# Altium PCB MSP430F55 Microcontroller.PcbDoc (part 1 of 2)
Units mm, origin at the board's own origin, x right, y up, seen from the top; angles counter-clockwise.
Board outline 86.39 x 49.56 mm, 4 copper layers (Top Layer, GND, Signal, Bottom), stack 1.586 mm thick; 127 components, 113 nets, 432 pads, 154 vias.
Unrouted connection lines stored in the file: 10.
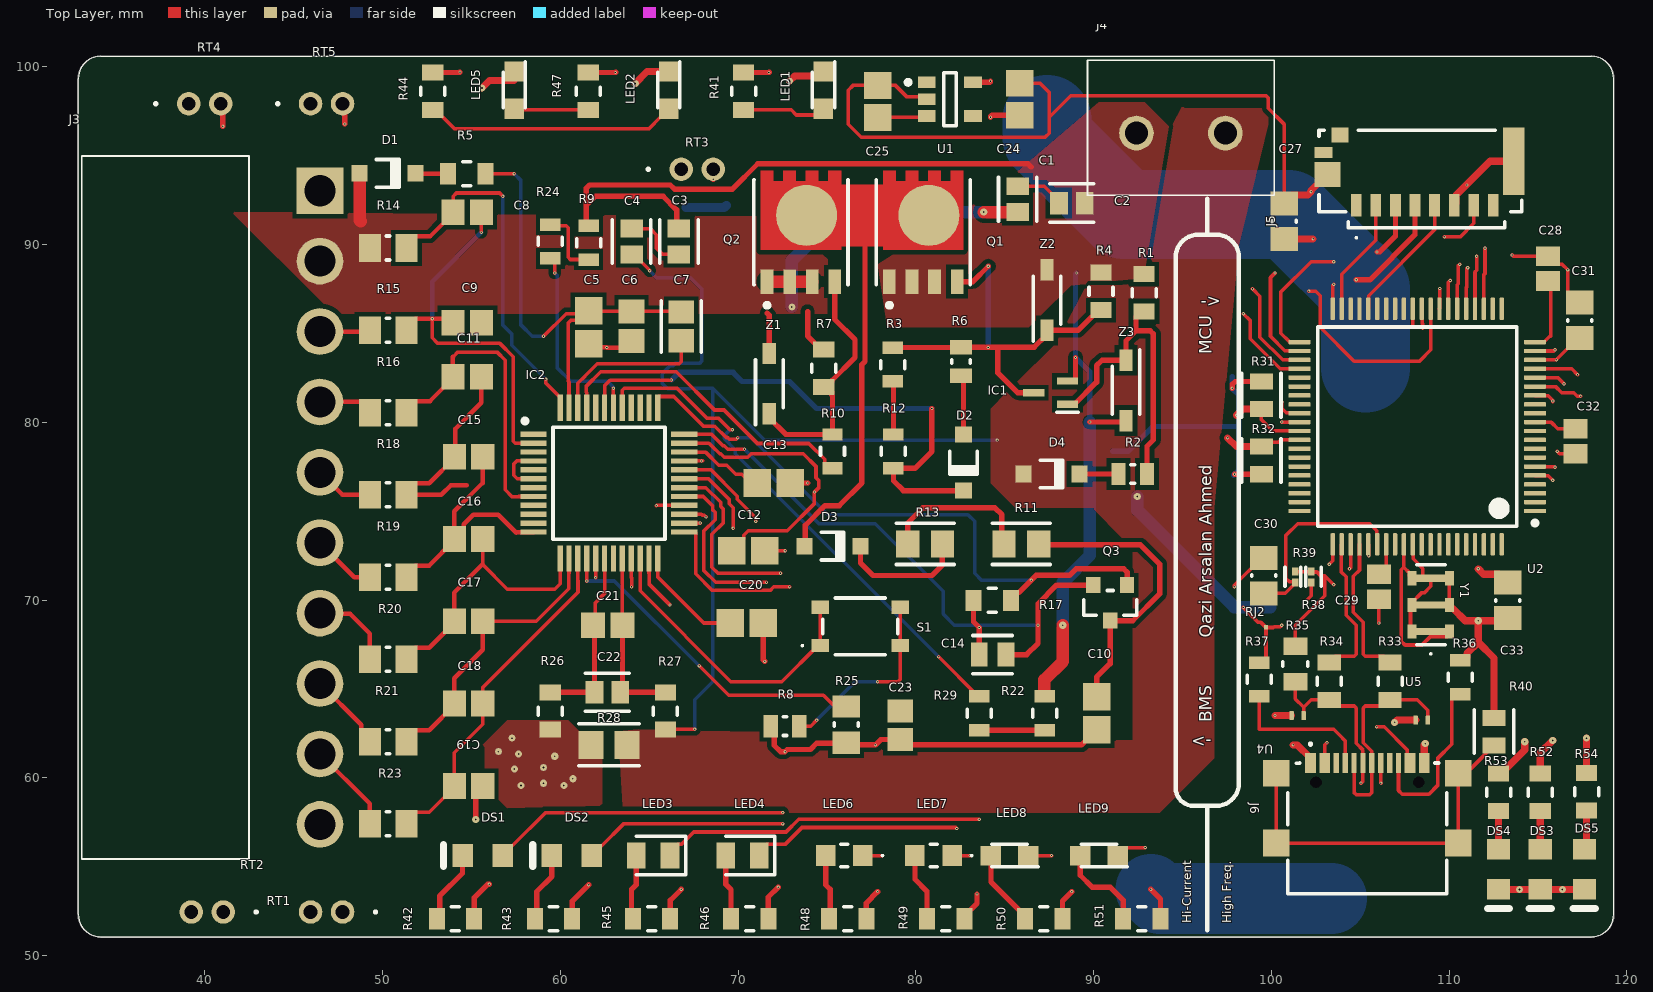
[diagram p0: Top Layer view]
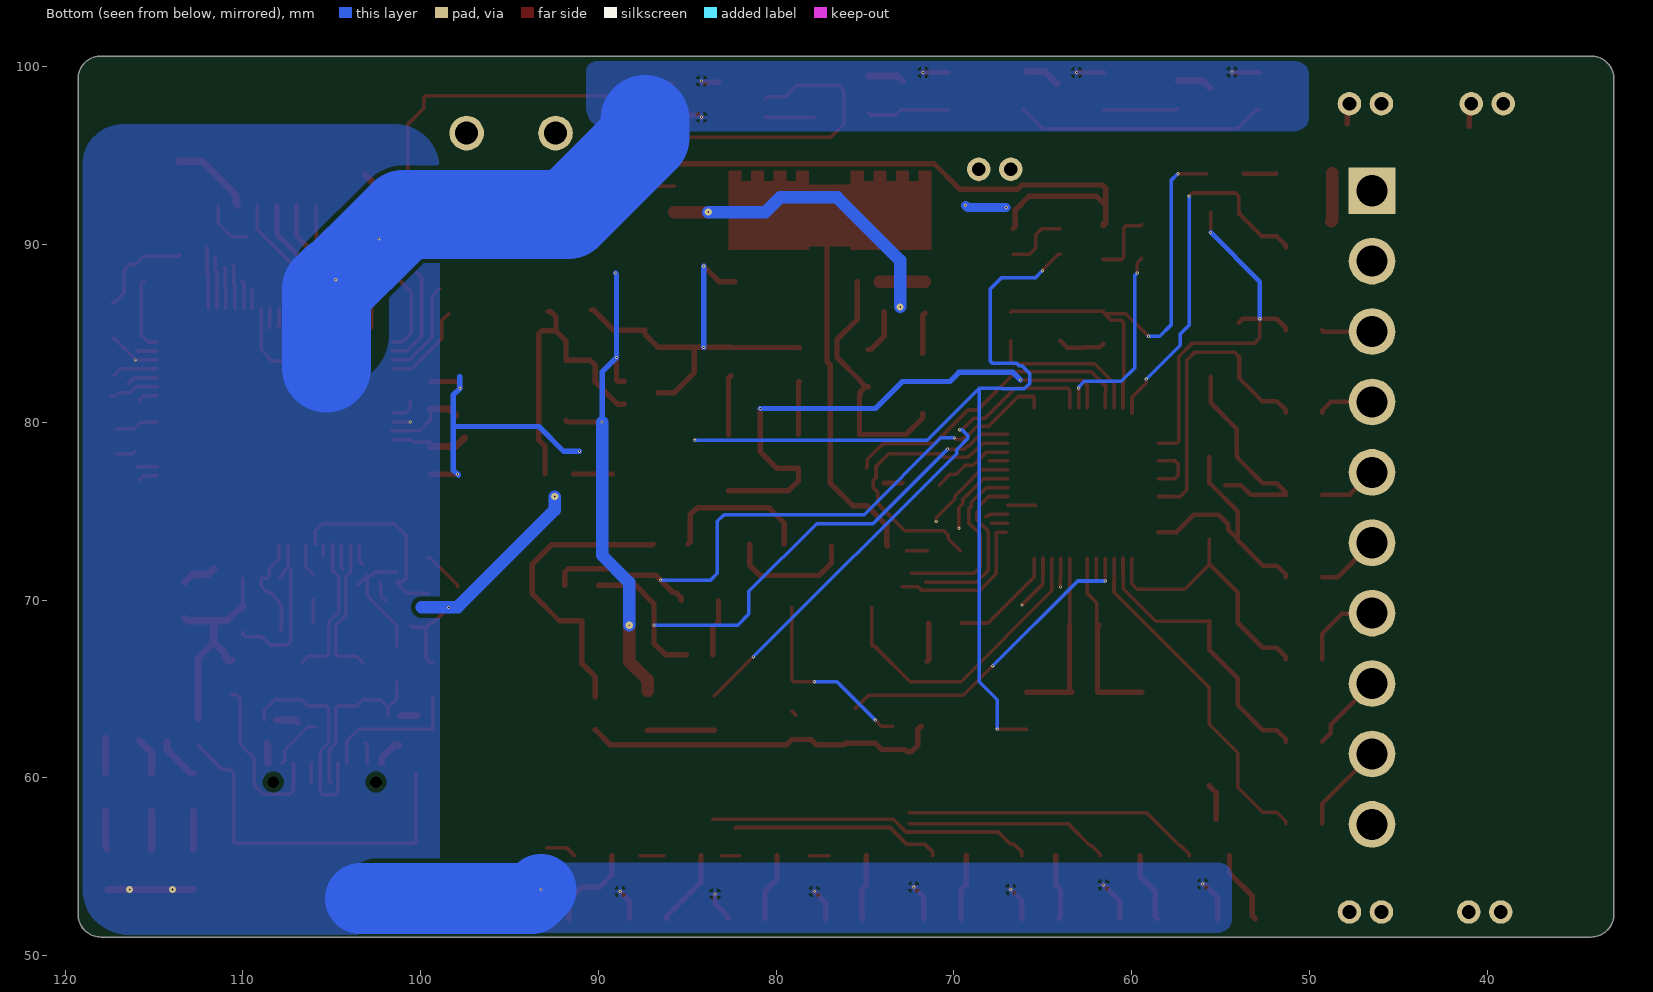
[diagram p1: Bottom view, seen from below]
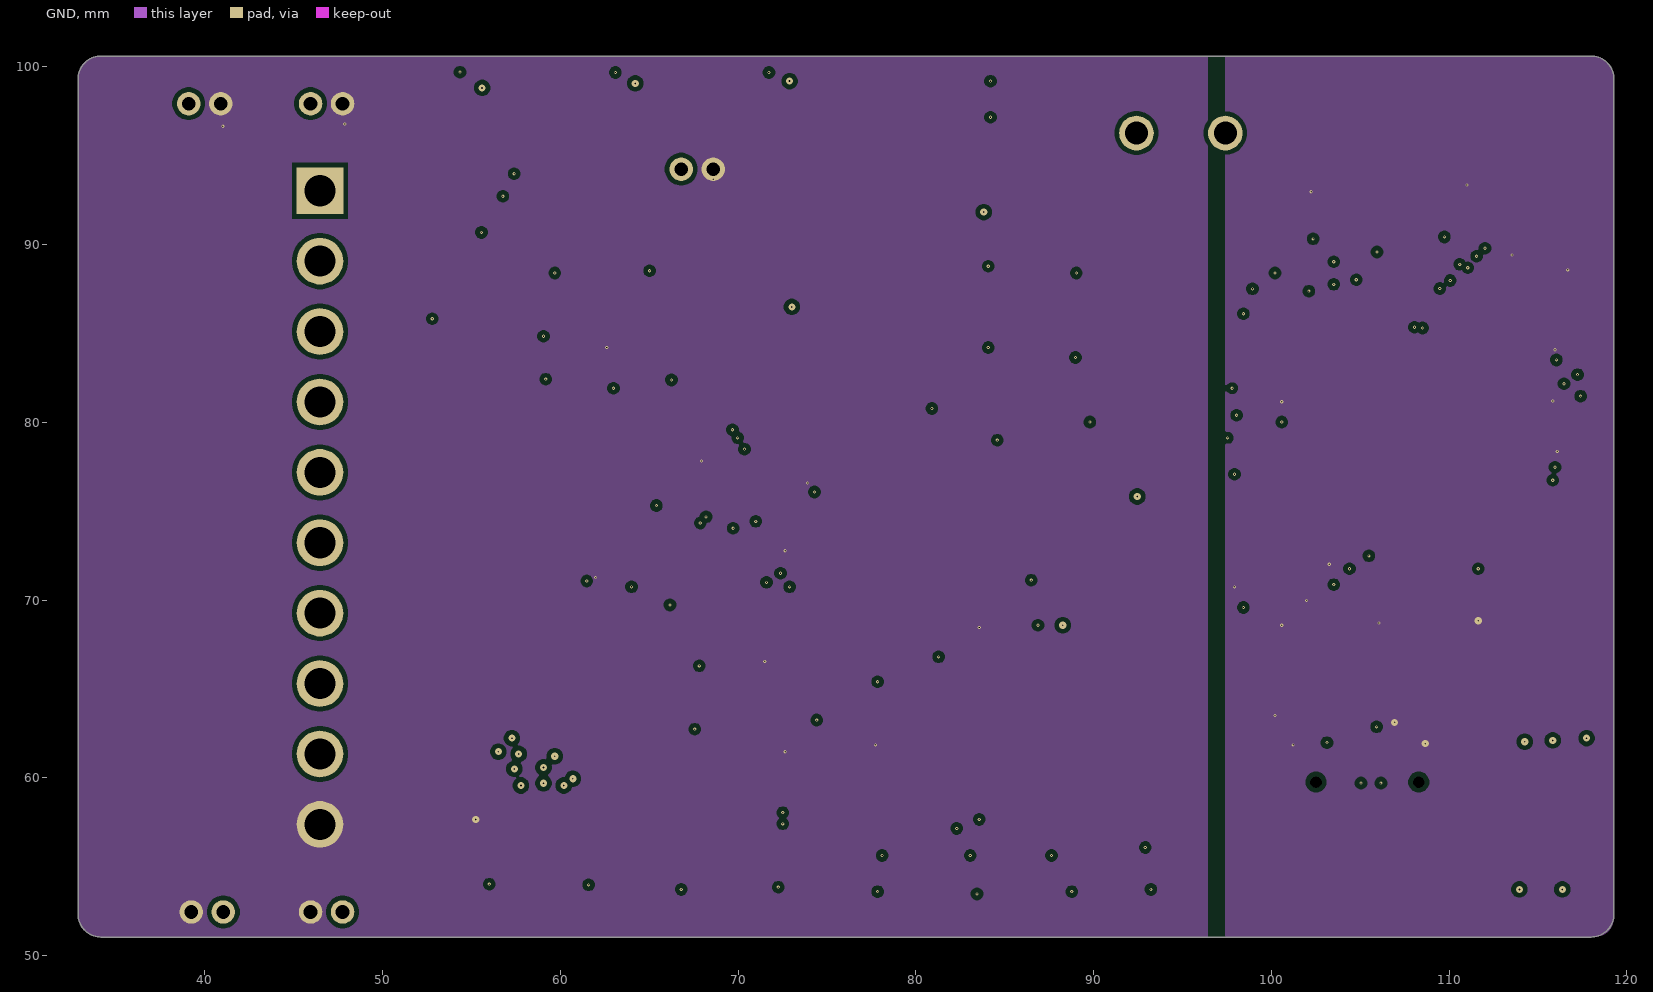
[diagram p2: GND]
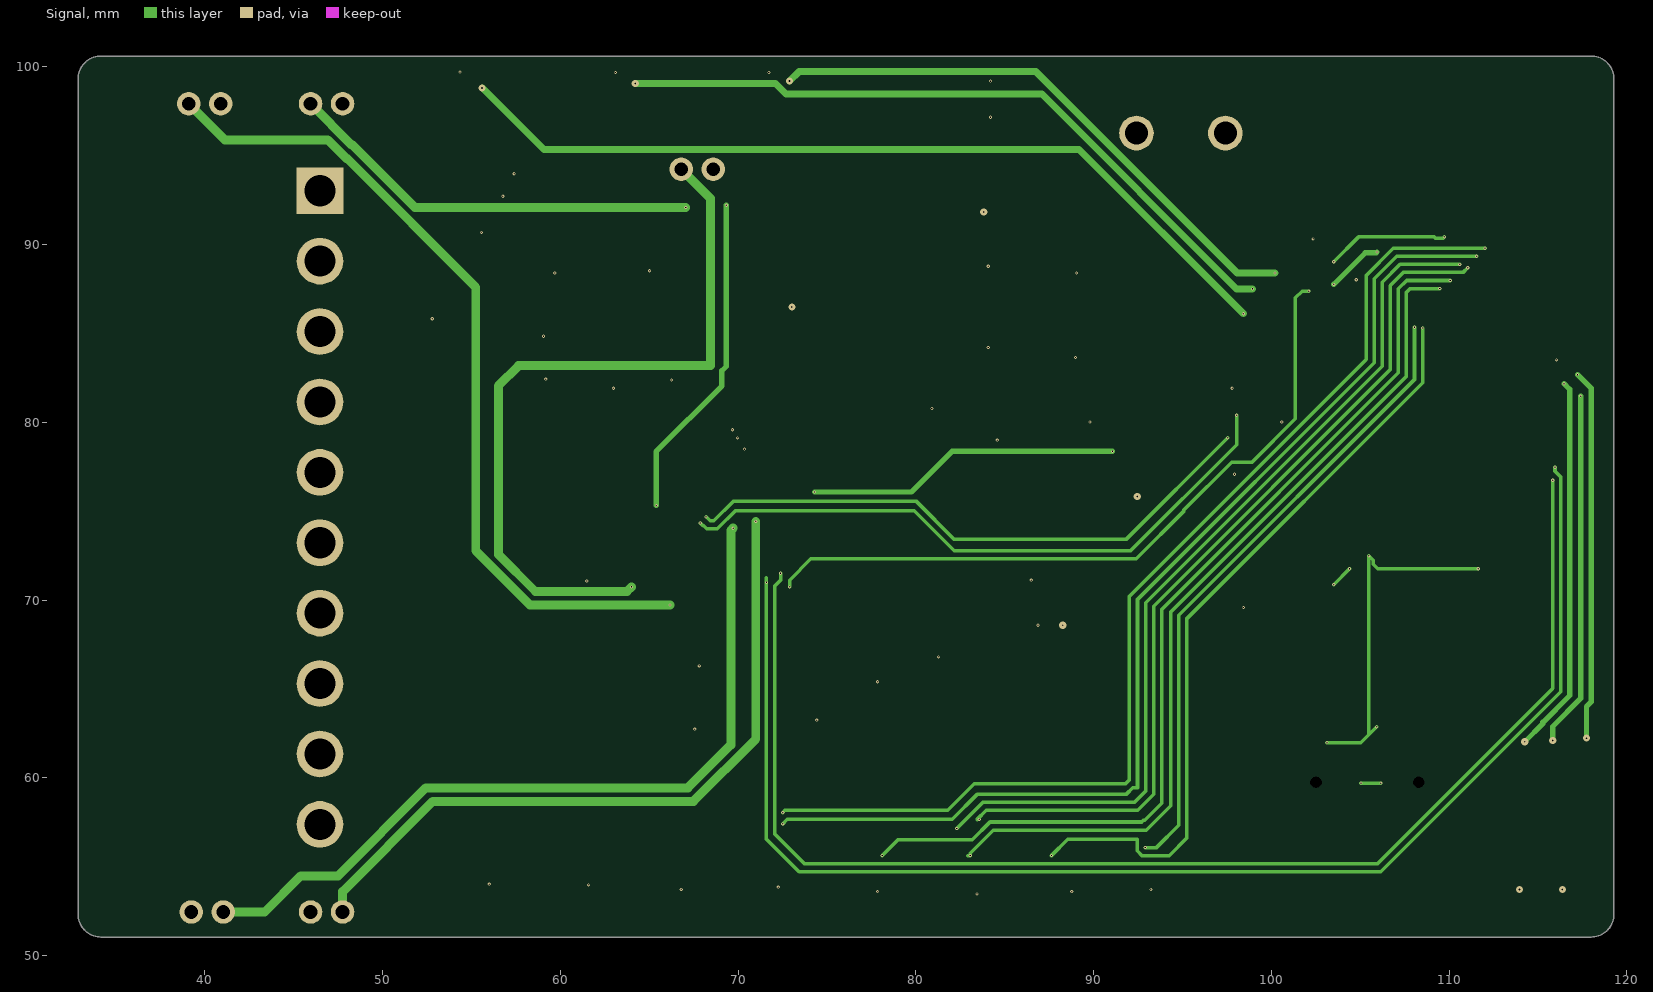
[diagram p3: Signal]
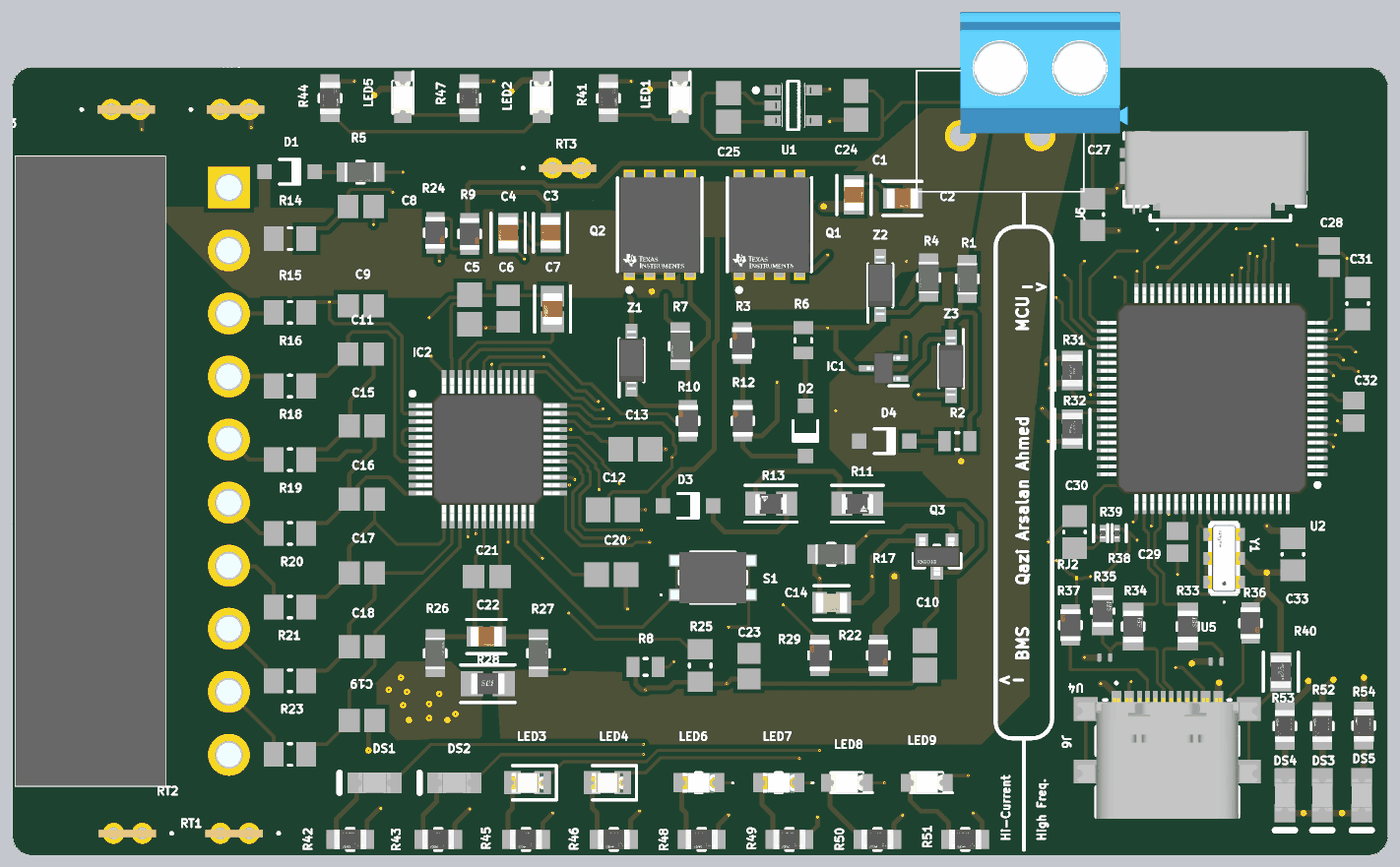
[diagram p5: 3D render of the assembled board from above, using the file's embedded part models]

## Layer stack, top to bottom
Top Solder: solder mask 0.0102, Solder Resist, Dk 3.5
Top Layer: signal copper 0.035
Dielectric 2: prepreg 0.2104, PP-006, Dk 4.4
GND: signal copper 0.0152
Dielectric 1: dielectric 1.065, FR-4, Dk 4.4
Signal: signal copper 0.0152
Dielectric 3: prepreg 0.2104, PP-006, Dk 4.4
Bottom: signal copper 0.035
Bottom Solder: solder mask 0.0102, Solder Resist, Dk 3.5

## Board outline
34.163,51.041 cw(c34.163,52.324) 32.88,52.324 32.88,99.314 cw(c34.163,99.314) 34.163,100.597 117.983,100.597 cw(c117.983,99.314) 119.266,99.314 119.266,52.324 cw(c117.983,52.324) 117.983,51.041

## Design rules (kind name [scope] priority, off if disabled: settings)
Clearance [All] p1: gap=0.254 ignorepadtopadclearanceinfootprint=TRUE
DiffPairsRouting [All] p1: maxlimit=100 minlimit=0.1 mostfreqgap=0.203 toplayer_prefgap=0.203 toplayer_minwidth=0.1 toplayer_maxwidth=100 toplayer_prefwidth=0.293 midlayer1_minwidth=0.1 midlayer1_maxwidth=100 midlayer1_prefwidth=0.293 midlayer2_minwidth=0.1 midlayer2_maxwidth=100 midlayer2_prefwidth=0.293 bottomlayer_minwidth=0.1 bottomlayer_maxwidth=100 bottomlayer_prefwidth=0.293 maxuncoupledlength=12.7
PolygonConnect [All] p1: connectstyle=Direct reliefconductorwidth=0.254 reliefentries=4 polygonreliefangle="90 Angle" airgapwidth=0.254
RoutingVias [All] p1: holewidth=0.711 width=1.27 viastyle="Through Hole" minholewidth=0.711 minwidth=1.27 maxholewidth=0.711 maxwidth=1.27
SolderMaskExpansion [All] p1: expansion=0 istentingtop=FALSE
SupplyNets "Schematic Supply Nets_1" [InNet('VSS')] p1: voltage=0.000
SupplyNets "Schematic Supply Nets" [InNet('USCBCGND')] p2: voltage=0.000
Width width_12 [All] p1: maxlimit=5 minlimit=0.1 preferedwidth=0.2 minimp=50.000000 maximp=50.000000 favimp=50.000000
Width [All] p2: maxlimit=5 minlimit=0.1 preferedwidth=0.254 toplayer_prefwidth=0.2 midlayer1_minwidth=0.254 midlayer1_maxwidth=0.254 midlayer2_minwidth=0.254 midlayer2_maxwidth=0.254 bottomlayer_prefwidth=0.2 minimp=50.000000 maximp=50.000000 favimp=50.000000
Width Width_1 [All] p3: maxlimit=0.254 minlimit=0.254 preferedwidth=0.254
29 further rules are at their usual default settings.

## Classes and differential pairs
component class LVMCU: C24 C25 C27 C28 C29 C30 C31 C32 C33 J5 J6 R31 R32 R33 R34 R35 R36 R37 R38 R39 R40 RJ2 U1 U2 U4 U5 Y1
component class "LVBMSBQF schematic": C1 C2 C3 C4 C5 C6 C7 C8 C9 C10 C11 C12 C13 C14 C15 C16 C17 C18 C19 C20 C21 C22 D1 D2 D3 D4 IC1 IC2 J3 J4 Q1 Q2 Q3 R1 R2 R3 R4 R5 R6 R7 R8 R9 R10 R11 R12 R13 R14 R15 R16 R17 R18 R19 R20 R21 R22 R23 R24 R25 R26 R27 R28 R29 RT1 RT2 RT3 RT4 RT5 S1 Z1 Z2 Z3
component class LVBATTIND-MCU: DS1 DS2 DS3 DS4 DS5 LED1 LED3 LED4 LED6 LED7 LED8 LED9 R41 R42 R43 R44 R45 R46 R47 R48 R49 R50 R51 R52 R53 R54
differential pair DI: +DI_P -DI_N
differential pair D: +D_P -D_N

## Components (designator, comment, footprint, x,y, rotation, side; value= is the part's Value field where it differs from the comment)
C1 "0805B104K500CT" FP-0805B-IPC_C 85.725,92.547 r90 top
C2 "0805B104K500CT" FP-0805B-IPC_C 88.773,92.329 r0 top
C3 "0805B104K500CT" FP-0805B-IPC_C 66.675,90.17 r270 top
C4 "0805B104K500CT" FP-0805B-IPC_C 64.008,90.17 r270 top
C5 "08055D105MAT2A" CAPC2013X152X50ML20T25 61.595,85.344 r90 top
C6 "08055C101JAT2A" CAPC2013X94X50NL20T25 64.008,85.407 r90 top
C7 "08055C474J4Z2A" FP-0805-L_2_01_0_2-W_1_25-IPC_B 66.802,85.388 r270 top
C8 "08055C224MAT2A" CAPC2013X140X50NL20T25 54.762,91.816 r180 top
C9 "08055C224MAT2A" CAPC2013X140X50NL20T25 54.775,85.598 r180 top
C10 "08055D105MAT2A" CAPC2013X152X50ML20T25 90.17,63.627 r90 top
C11 "08055C224MAT2A" CAPC2013X140X50NL20T25 54.762,82.559 r180 top
C12 "08055D105MAT2A" CAPC2013X152X50ML20T25 70.576,72.771 r0 top
C13 "08055D105MAT2A" CAPC2013X152X50ML20T25 72.009,76.581 r0 top
C14 "C0805C223J5HACTU" FP-C0805C-DN-MFG 84.316,66.929 r180 top value="22,000 pF"
C15 "08055C224MAT2A" CAPC2013X140X50NL20T25 54.838,78.058 r180 top
C16 "08055C224MAT2A" CAPC2013X140X50NL20T25 54.838,73.43 r180 top
C17 "08055C224MAT2A" CAPC2013X140X50NL20T25 54.838,68.802 r180 top
C18 "08055C224MAT2A" CAPC2013X140X50NL20T25 54.838,64.173 r180 top
C19 "08055C224MAT2A" CAPC2013X140X50NL20T25 54.838,59.545 r180 top
C20 "0805ZD226MAT2A" CAPC2013X152X50ML20T25 70.485,68.707 r0 top
C21 "08055C101JAT2A" CAPC2013X94X50NL20T25 62.675,68.58 r180 top
C22 "0805B104K500CT" FP-0805B-IPC_C 62.647,64.806 r0 top
C23 "08055C224MAT2A" CAPC2013X140X50NL20T25 79.121,62.954 r90 top
C24 "0805YC105JAT2A" CAPC2013X140X50ML20T25 85.852,98.171 r270 top
C25 "0805YC105JAT2A" CAPC2013X140X50ML20T25 77.851,98.044 r270 top
C27 "CAP 100nF 10V 0805(2012)" CAPC0805(2012)100_M 100.711,91.313 r270 top value=100nF
C28 "0805ZC474JAT2A" CAPC2013X140X50LL20T25 115.57,88.646 r270 top
C29 "0805ZC474JAT2A" CAPC2013X140X50LL20T25 106.045,70.739 r90 top
C30 "CAP 100nF 10V 0805(2012)" CAPC0805(2012)100_M 99.568,71.374 r270 top value=100nF
C31 "CAP 100nF 10V 0805(2012)" CAPC0805(2012)100_M 117.348,85.725 r270 top value=100nF
C32 "0805ZC474JAT2A" CAPC2013X140X50LL20T25 117.094,78.929 r90 top
C33 "CAP 100nF 10V 0805(2012)" CAPC0805(2012)100_M 113.284,69.977 r90 top value=100nF
D1 "1N4148W-7-F" DIOD-SOD123-2_V 50.292,94.005 r0 top
D2 "1N4148W-7-F" DIOD-SOD123-2_V 82.677,77.724 r270 top
D3 "1N4148W-7-F" DIOD-SOD123-2_V 75.311,73.025 r0 top
D4 "1N4148W-7-F" DIOD-SOD123-2_V 87.63,77.089 r0 top
DS1 "598-8170-107F" DIAL-0805-2_V 55.626,55.626 r0 top
DS2 "598-8170-107F" DIAL-0805-2_V 60.65,55.626 r0 top
DS3 "598-8170-107F" DIAL-0805-2_V 115.126,54.846 r90 top
DS4 "598-8170-107F" DIAL-0805-2_V 112.776,54.846 r90 top
DS5 "598-8170-107F" DIAL-0805-2_V 117.602,54.846 r90 top
IC1 "2N7002KW" SOT65P210X110-3N 87.577,81.661 r180 top
IC2 "BQ7694202PFBR" QFP50P900X900X120-48N 62.738,76.572 r0 top
J3 "B10PS-VH__LF__SN_" B10PSVHLFSN 46.482,93.021 r270 top
J4 "TB002-500-02BE" TB00250002BE 92.409,96.266 r0 top
J5 "10067099-200LF" 10067099200LF 108.377,94.132 r180 top
J6 "GSB1C41110SSHR" GSB1C41110SSHR 105.398,57.443 r0 top
LED1 "599-0110-007F" LEDM2012X90N 74.803,98.679 r270 top
LED2 "599-0110-007F" LEDM2012X90N 66.103,98.679 r270 top
LED3 "599-0140-007F" LEDC2012X70N 65.225,55.626 r180 top
LED4 "599-0140-007F" LEDC2012X70N 70.249,55.626 r180 top
LED5 "599-0110-007F" LEDM2012X90N 57.404,98.679 r270 top
LED6 "599-0130-007F" 5990130007F 75.974,55.626 r180 top
LED7 "599-0130-007F" 5990130007F 80.998,55.626 r180 top
LED8 "599-0110-007F" LEDM2012X90N 85.273,55.626 r180 top
LED9 "599-0110-007F" LEDM2012X90N 90.297,55.626 r180 top
Q1 "CSD19532Q5B" FP-DNK0008A-MFG 80.417,90.678 r90 top
Q2 "CSD19532Q5B" FP-DNK0008A-MFG 73.533,90.678 r90 top
Q3 "FMMT495TA" FP-SOT23-MFG 90.932,69.834 r270 top
R1 "AC0805FR-0710ML" FP-AC0805-MFG 92.837,87.283 r270 top value=10MΩ
R2 "RC0805FR-1010KL" RESC2013X60X35LL10T20 92.202,77.089 r180 top
R3 "AC0805FR-0710ML" FP-AC0805-MFG 74.818,83.044 r270 top value=10MΩ
R4 "AC0805FR-0710ML" FP-AC0805-MFG 90.415,87.362 r270 top value=10MΩ
R5 "AC0805FR-07100RL" FP-AC0805-MFG 54.737,93.98 r0 top value=100Ω
R6 "AC0805JR-071KL" RESC2013X60X35LL10T20 82.543,83.419 r90 top
R7 "KTR10EZPF5101" FP-KTR10-MFG 78.705,83.244 r90 top
R8 "RC0805FR-1010KL" RESC2013X60X35LL10T20 72.644,62.905 r0 top
R9 "KTR10EZPF5101" FP-KTR10-MFG 61.595,90.099 r270 top
R10 "KTR10EZPF5101" FP-KTR10-MFG 75.311,78.359 r90 top
R11 "CRCW0805220RJNEAHP" FP-CRCW0805-HPe3-IPC_A 85.939,73.152 r180 top
R12 "KTR10EZPF5101" FP-KTR10-MFG 78.74,78.359 r90 top
R13 "CRCW0805220RJNEAHP" FP-CRCW0805-HPe3-IPC_A 80.518,73.152 r0 top
R14 "RK73B2ATTD200J" RESC2013X60X30ML20T20 50.317,89.802 r0 top
R15 "RK73B2ATTD200J" RESC2013X60X30ML20T20 50.317,85.173 r0 top
R16 "RK73B2ATTD200J" RESC2013X60X30ML20T20 50.317,80.545 r0 top
R17 "AC0805FR-0710ML" FP-AC0805-MFG 84.294,69.977 r0 top value=10MΩ
R18 "RK73B2ATTD200J" RESC2013X60X30ML20T20 50.317,75.917 r0 top
R19 "RK73B2ATTD200J" RESC2013X60X30ML20T20 50.317,71.289 r0 top
R20 "RK73B2ATTD200J" RESC2013X60X30ML20T20 50.317,66.66 r0 top
R21 "RK73B2ATTD200J" RESC2013X60X30ML20T20 50.317,62.032 r0 top
R22 "KTR10EZPF5101" FP-KTR10-MFG 87.249,63.627 r270 top
R23 "RK73B2ATTD200J" RESC2013X60X30ML20T20 50.317,57.404 r0 top
R24 "KTR10EZPF5101" FP-KTR10-MFG 59.436,90.17 r270 top
R25 "RK73B2ATTD200J" RESC2013X60X30ML20T20 76.073,62.992 r90 top
R26 "AC0805FR-07100RL" FP-AC0805-MFG 59.436,63.754 r90 top value=100Ω
R27 "AC0805FR-07100RL" FP-AC0805-MFG 65.913,63.754 r90 top value=100Ω
R28 "CSRF0805FT10L0" FP-CSRF0805-IPC_A 62.738,61.849 r0 top
R29 "KTR10EZPF5101" FP-KTR10-MFG 83.566,63.627 r90 top
R31 "CRGP0805F10K" FP-CRGP0805-IPC_C 99.441,81.52 r270 top value=10KΩ
R32 "CRGP0805F10K" FP-CRGP0805-IPC_C 99.441,77.851 r90 top value=10KΩ
R33 "RMCF0805FT33R0" FP-RMCF0805-MFG 106.68,65.439 r90 top
R34 "RMCF0805FT33R0" FP-RMCF0805-MFG 103.251,65.439 r90 top
R35 "RNCF0805TKY2K00" FP-RNCF0805-MFG 101.346,66.405 r90 top
R36 "KTR10EZPF5101" FP-KTR10-MFG 110.617,65.659 r270 top
R37 "KTR10EZPF5101" FP-KTR10-MFG 99.314,65.532 r90 top
R38 "AF0201JR-071ML" FP-AF0201-IPC_B 102.235,71.297 r90 top
R39 "AF0201JR-071ML" FP-AF0201-IPC_B 101.346,71.297 r270 top
R40 "CRGP0805F10K" FP-CRGP0805-IPC_C 112.522,62.597 r90 top value=10KΩ
R41 "RT0805BRD07330RL" FP-RT0805-MFG 70.309,98.625 r270 top value=330Ω
R42 "RT0805BRD07330RL" FP-RT0805-MFG 54.102,52.07 r180 top value=330Ω
R43 "RT0805BRD07330RL" FP-RT0805-MFG 59.617,52.07 r180 top value=330Ω
R44 "RT0805BRD07330RL" FP-RT0805-MFG 52.832,98.625 r270 top value=330Ω
R45 "RT0805BRD07330RL" FP-RT0805-MFG 65.133,52.07 r180 top value=330Ω
R46 "RT0805BRD07330RL" FP-RT0805-MFG 70.648,52.07 r180 top value=330Ω